# Allegro board TubiiPCB_V6.brd (continued)
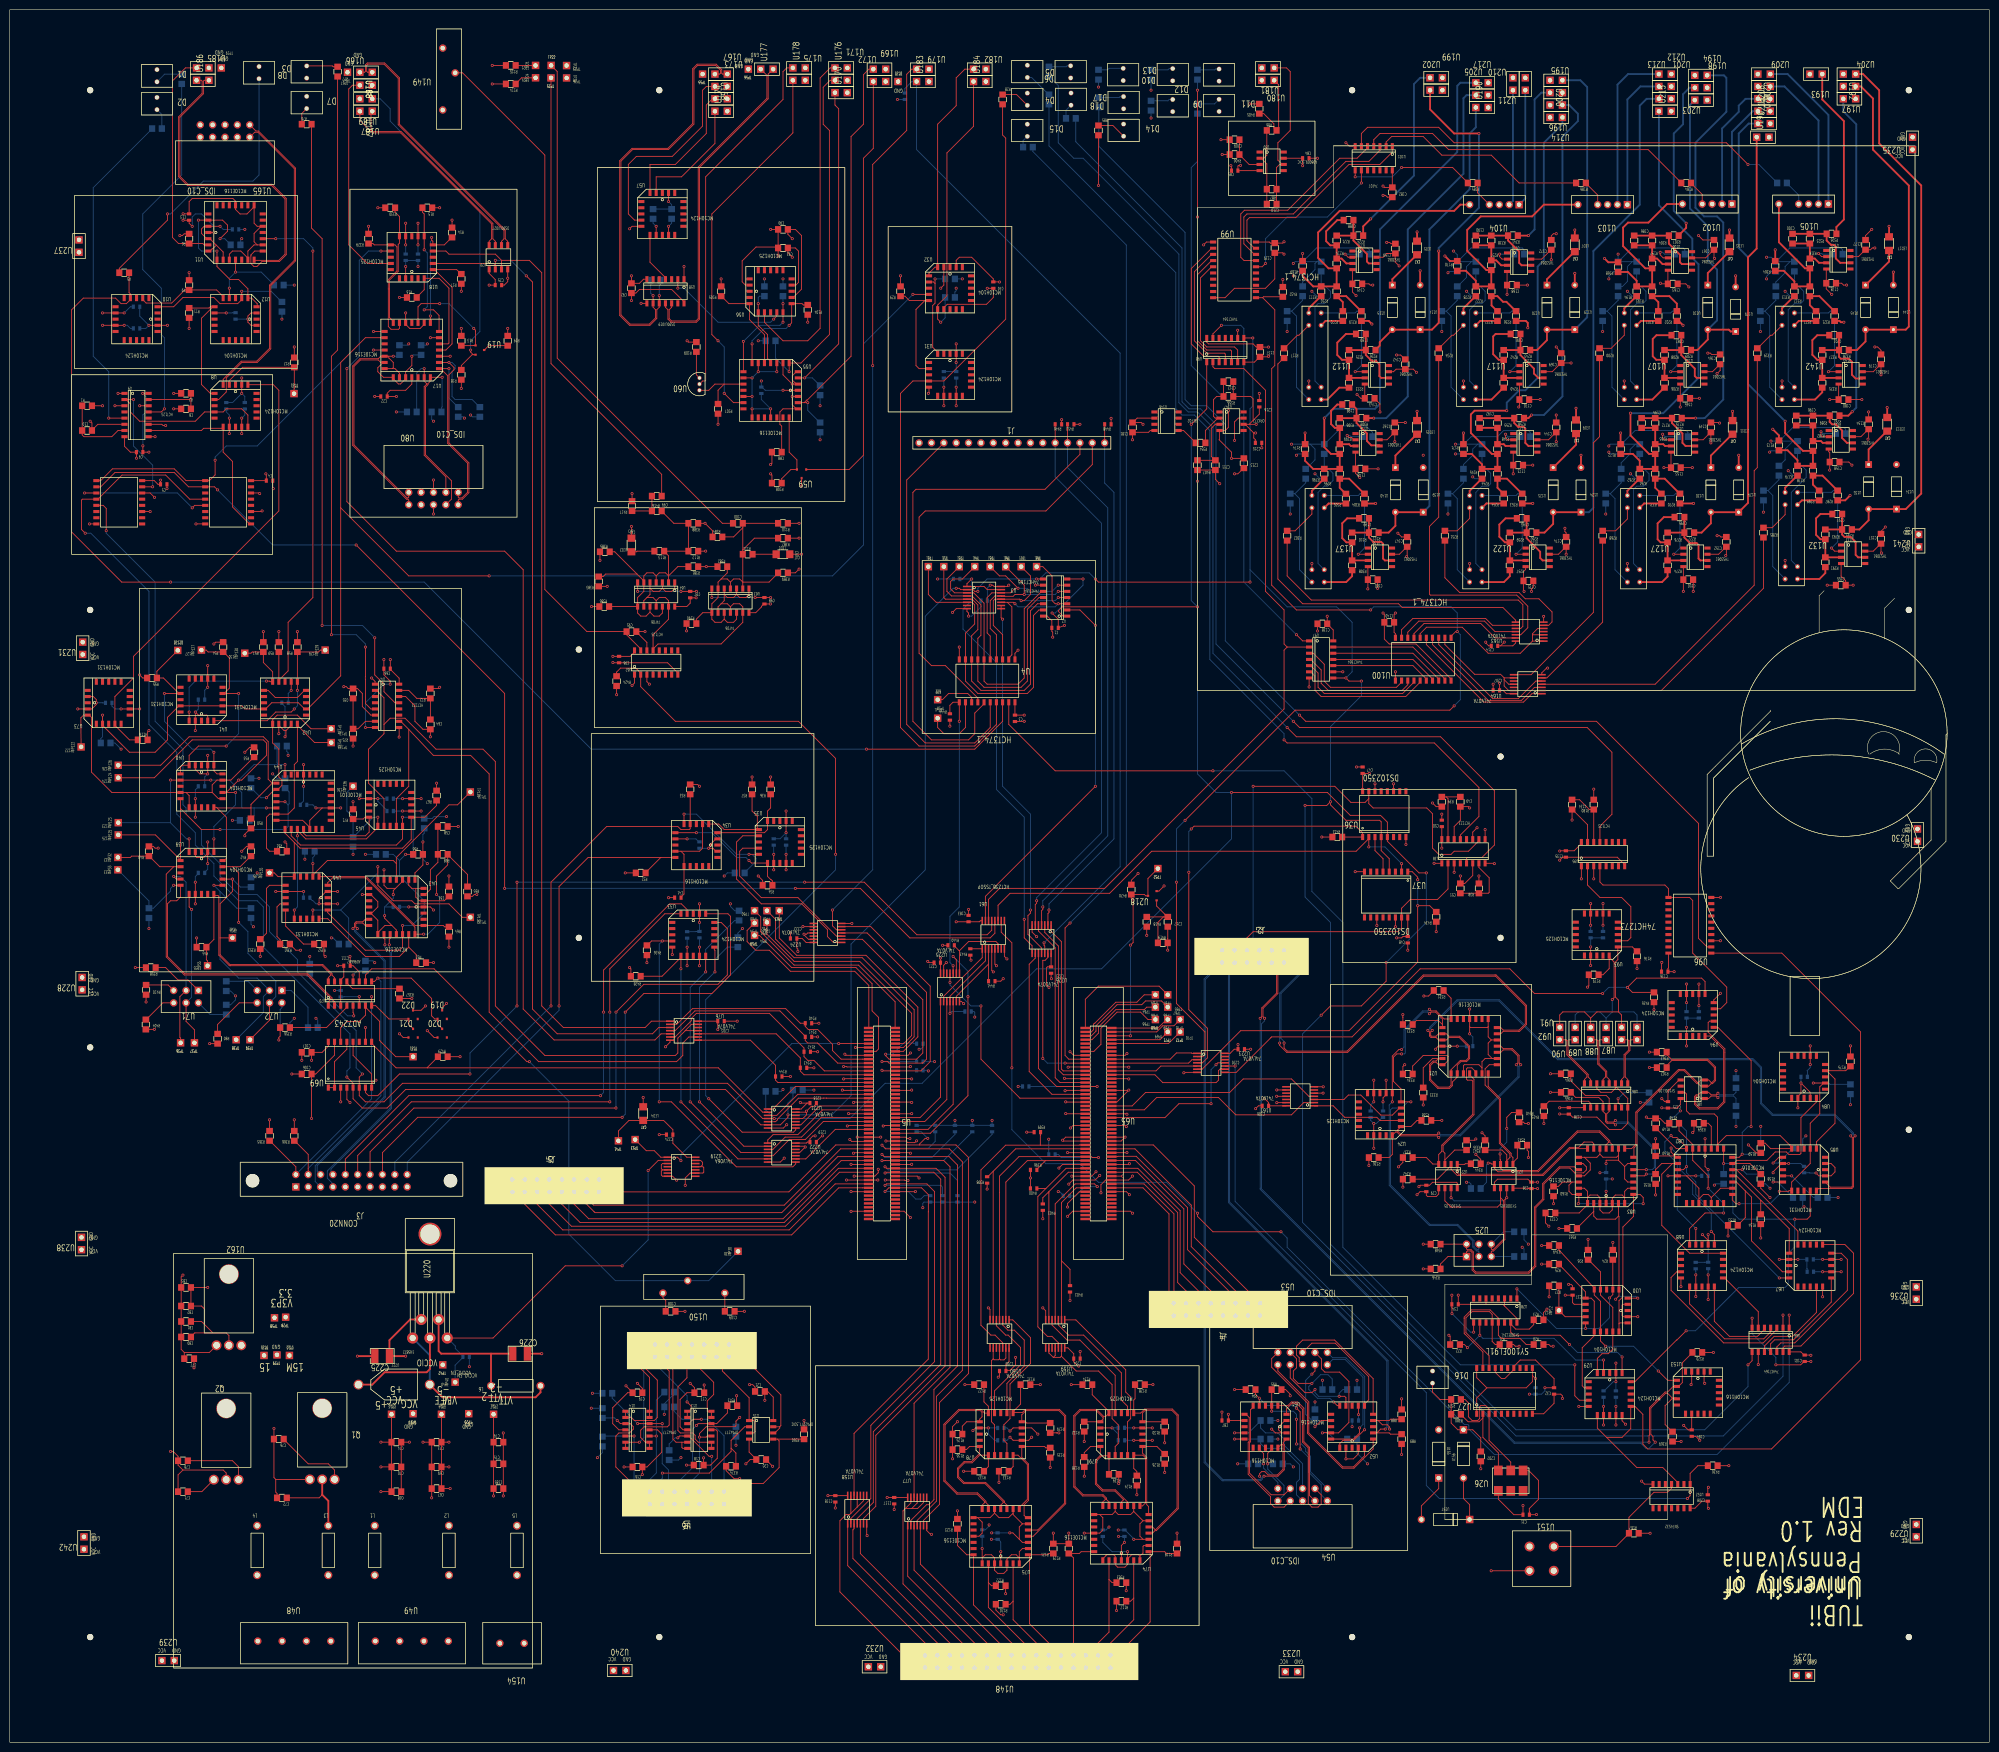
[diagram p0: board, top side]
## Routing (per net, layer and track width the routed paths; a pad name or vN(x,y) marks a point on that pad's centre or on a via; arc(x,y) is an arc through that point) (continued)
RIB4_P: length 27.1
  TOP w0.178: U52.13 272.54,69.09 v1(271.78,69.85) ; v1(267.33,73.66) 264.52,73.66 263.52,74.65 263.52,76.2 264.16,76.84 264.16,78.74 U53.4
  BOTTOM w0.178: R90.2 271.51,74.56 270.63,75.44 269.12,75.44 v1(267.33,73.66) 266.7,73.03 266.7,72.39 268.5,70.59 271.04,70.59 v1(271.78,69.85)
RIB5_N: length 31.2
  TOP w0.178: U53.5 264.74,78.16 264.74,78.93 264.16,79.5 264.16,81.28 265.43,82.55 272,82.55 279.91,74.64 U52.8
RIB5_P: length 23.5
  TOP w0.178: U53.6 267.33,81.91 272.13,81.91 279,75.04 279,70.27 278.13,69.41 U52.9
RIB6_N: length 27.4
  TOP w0.178: U51.12 v1(251.46,63.5)
  BOTTOM w0.178: 256.81,65.96 256.81,64.5 257.81,63.5 260.35,63.5 261.62,62.23 261.62,60.96 265.43,57.15 U54.5 ; 256.81,65.96 R97.2 ; 256.81,65.96 254.35,63.5 v1(251.46,63.5)
RIB6_P: length 26.3
  TOP w0.178: U51.13 v1(251.46,62.23)
  BOTTOM w0.178: U54.6 264.17,50.79 264.17,53.36 264.79,53.98 264.79,56.97 261.44,60.32 257.81,60.32 256.81,61.33 R96.2 v1(251.46,62.23)
RIB7_N: length 24.9
  TOP w0.178: U54.7 261.62,50.8 258.98,50.8 254.51,55.27 254.51,61.45 254.72,61.66 254.72,68.22 255.27,68.77 U51.8
RIB7_P: length 25.8
  TOP w0.178: U51.9 253.81,67.31 254.47,66.65 254.47,61.77 254.25,61.55 254.25,55.02 258.83,50.45 258.83,49.02 259.59,48.26 261.62,48.26 U54.8
RIB8_N: length 18.6
  TOP w0.178: v1(267.33,75.56) 267.97,76.2 U53.7 ; v1(267.97,64.77) 269.24,66.04 U52.15
  BOTTOM w0.178: v1(267.97,64.77) R93.2 267.07,66.31 266.06,67.31 266.06,73.38 266.05,73.39 266.05,73.93 266.06,73.94 266.06,74.3 v1(267.33,75.56)
RIB8_P: length 31
  TOP w0.178: U53.8 269.3,78.68 269.3,76.65 269.98,75.98 273.02,75.98 274.93,74.07 274.93,65.63 272.8,63.5 U52.17 270.42,63.5 270.35,63.57 269.57,63.57 v1(269.49,63.5)
  BOTTOM w0.178: R92.2 271.95,62.23 270.68,63.5 v1(269.49,63.5)
RIB9_N: length 27.4
  TOP w0.178: v1(277.11,64.52) 277.11,63.48 275.86,62.23 U52.18
  BOTTOM w0.178: v1(277.11,64.52) 277.82,65.22 277.82,74.92 274.18,78.56 271.6,78.56 U53.9
RIB9_P: length 27.8
  TOP w0.178: v1(278.13,64.13) 275.97,61.98 273.72,61.98 273.05,61.31 U52.19
  BOTTOM w0.178: U53.10 271.6,78.92 274.33,78.92 278.17,75.07 278.17,64.18 v1(278.13,64.13)
RIB10_N: length 11.1
  TOP w0.178: v1(257.42,57.15) 257.42,59.26 256.54,60.13 U51.15
  BOTTOM w0.178: R99.2 v1(257.42,57.15) 257.42,56.28 260.35,53.34 U54.9
RIB10_P: length 14.2
  TOP w0.178: v1(258.26,57.15) 258.26,59.32 259.08,60.13 U51.17
  BOTTOM w0.178: R98.2 v1(258.26,57.15) 258.26,56.06 261.61,52.72 261.61,50.79 U54.10
SCALER4_MZ: length 35.5
  TOP w0.178: U65.24 216.28,137.8 215.9,138.18 215.9,164.34 213.79,166.45 U226.1
SCALER5_MZ: length 36.8
  TOP w0.178: U226.3 212.49,166.23 215.29,163.43 215.29,138.02 216.31,137 U65.26
SCALER6_MZ: length 39.3
  TOP w0.178: U65.30 215.63,135.4 214.63,136.4 214.63,163.07 211.19,166.51 U226.5
SET_RETRIG1: length 43.1
  TOP w0.178: 44.01,215.26 U41.7 ; 44.01,215.26 v1(46.99,215.26) ; 44.01,215.26 45.08,216.34 45.08,222.57 43.87,223.79 R54.2 40.72,223.79 40.34,224.17 TP127.1 ; U40.4 35.05,200.15 35.43,200.53 U40.3 36.83,202.56 38.73,204.47 v1(44.45,204.47)
  BOTTOM w0.178: v1(46.99,215.26) 46.99,207.01 v1(44.45,204.47)
SET_RETRIG2: length 40.9
  TOP w0.178: 34.73,215.26 v1(31.75,215.26) ; 34.73,215.26 31.56,218.44 R55.2 30.21,219.82 TP128.1 ; 34.73,215.26 U41.15 ; v1(41.91,203.2) U40.19 41.91,199.39 42.55,198.75 U40.18
  BOTTOM w0.178: v1(31.75,215.26) 31.75,209.55 37.47,203.83 41.28,203.83 v1(41.91,203.2)
SMELLIE_DELAY_BUF_N: length 18.1
  TOP w0.178: U34.3 154.94,186.69 155.58,187.33 U35.3 155.58,191.13 156.21,191.77 R36.2
SMELLIE_DELAY_BUF_P: length 18.5
  TOP w0.178: 153.48,187.33 153.48,190.06 152.4,191.14 R37.2 ; 153.48,187.33 146.69,187.33 145.54,188.47 U34.4 ; 153.48,187.33 U35.4
SMELLIE_DELAY_MZ: length 17.5
  TOP w0.178: U222.9 163.42,119.74 169.49,125.8 U5.54
SMELLIE_PRE_DELAY_MZ: length 48.9
  TOP w0.178: U224.2 175.04,164.81 187.45,152.4 187.45,141.48 186.17,140.2 U5.17 180.54,140.2 179.83,140.9 v1(179.83,141.22)
  BOTTOM w0.178: v1(179.83,141.22) 181.23,141.22 183.52,143.51 185.52,143.51 185.65,143.38 R439.2
SMELLIE_PULSE_MZ: length 23.4
  TOP w0.178: U5.48 166.55,128.2 162.56,124.21 159.19,124.21 156.67,121.69 U222.3
SPKR: length 157.9
  TOP w0.178: v1(169.55,182.25) 169.55,201.93 161.93,209.55 136.65,209.55 129.54,216.66 U62.2 129.54,219.46 128.52,220.47 125.4,220.47 124.59,219.66 R424.2 ; v1(143.51,132.08) 150.37,125.22 160.9,125.22 161.37,125.69 U221.8
  BOTTOM w0.178: v1(143.51,132.08) 142.88,132.72 142.88,152.4 169.55,179.07 v1(169.55,182.25)
SPKR_MZ: length 16.6
  TOP w0.178: U5.42 166.29,130.6 162.41,126.72 U221.9
SR_CLK: length 829.8
  TOP w0.178: v1(15.49,248.16) 14.73,248.92 14.73,254.97 14.91,255.14 18.1,255.14 23.05,260.1 32,260.1 36.96,255.14 40.13,255.14 ; v1(356.87,77.47) 357.71,78.31 U66.8 ; v1(277.49,217.81) 274.95,217.81 v1(274.32,218.44) U97.8 ; v1(265.94,192.28) 270.38,192.28 v1(271.14,193.04) 271.14,192.41 274.32,189.23 281.25,189.23 281.56,188.93 U36.4 281.56,183.01 283.21,181.36 283.21,178.69 ; v1(254.64,238.12) 223.52,238.12 v1(222.88,238.76) ; v1(194.31,236.86) 194.94,236.86 195.22,236.58 U3.2 197.76,236.58 198.12,236.22 v1(198.75,236.22) ; v1(69.22,136.53) 70.48,135.25 70.48,132.08 72.39,130.18 77.47,130.18 81.28,133.99 146.94,133.99 154.2,126.72 U221.6 158.22,126.72 159.77,128.27 v1(159.77,128.78) ; v1(210.82,238.76) U2.8 ; U98.8 v1(255.21,288.23)
  BOTTOM w0.178: v1(277.49,217.81) 277.49,214.79 271.14,208.44 v1(271.14,193.04) ; v1(15.49,248.16) 16.64,248.16 28.57,236.22 28.57,208.92 34.29,203.2 34.29,190.5 38.1,186.69 38.1,184.15 41.91,180.34 41.91,177.8 46.99,172.72 50.8,172.72 52.07,171.45 52.07,163.19 69.85,145.41 69.85,138.43 69.22,137.8 v1(69.22,136.53) ; v1(255.21,288.23) 255.21,274.26 254.64,273.69 254.64,240.67 ; v1(274.32,218.44) 275.59,219.71 275.59,229.87 272.41,233.05 262.25,233.05 254.64,240.67 ; 254.64,240.67 v1(254.64,238.12) ; R425.2 160.8,132.22 159.77,131.19 v1(159.77,128.78) 168.78,128.78 172.72,132.72 172.72,163.83 187.96,179.07 187.96,231.14 193.68,236.86 v1(194.31,236.86) ; v1(265.94,192.28) 265.94,173.48 271.14,168.28 271.14,102.24 309.24,64.13 347.98,64.13 356.87,73.03 v1(356.87,77.47) ; v1(198.75,236.22) 198.75,236.86 200.66,238.76 v1(210.82,238.76) 211.46,238.76 212.72,240.03 221.62,240.03 v1(222.88,238.76)
SR_DATA: length 769.1
  TOP w0.178: U1.5 19.18,253.87 19.81,253.24 v1(19.81,248.67) ; v1(243.84,233.05) 216.08,233.05 215.34,232.31 215.34,232.05 216.25,231.14 U2.1 ; v1(290.83,178.44) 289.34,178.44 282.83,184.95 U36.5 282.83,188.85 281.43,190.25 275.21,190.25 270.51,194.94 v1(250.83,194.94) ; U98.1 245.75,273.69 v1(242.57,270.51) ; v1(282.57,160.02) 282.57,156.21 277.49,151.13 271.14,151.13 v1(269.24,149.22) ; v1(72.39,137.16) 71.76,136.53 U69.6 71.76,132.72 73.03,131.44 76.84,131.44 80.65,135.25 147.35,135.25 154.58,128.02 U221.4 v1(156.97,128.02) ; U66.2 v1(364.06,87.68)
  BOTTOM w0.178: v1(282.57,160.02) 290.83,168.28 v1(290.83,178.44) ; R427.2 155.21,129.78 v1(156.97,128.02) 172.47,128.02 179.71,135.25 187.33,135.25 210.82,158.75 224.16,158.75 250.83,185.42 v1(250.83,194.94) 247.65,194.94 243.84,198.75 v1(243.84,233.05) 242.57,234.31 v1(242.57,270.51) ; v1(269.24,149.22) 265.43,145.41 265.43,106.68 309.24,62.87 336.27,62.87 336.28,62.88 337.63,62.88 337.64,62.87 351.79,62.87 364.06,75.13 v1(364.06,87.68) ; v1(72.39,137.16) 71.12,138.43 71.12,146.05 59.06,158.12 59.06,160.66 53.34,166.37 53.34,171.45 50.8,173.99 46.99,173.99 43.18,177.8 43.18,180.34 39.37,184.15 39.37,187.33 36.19,190.5 36.19,191.77 35.56,192.41 35.56,203.83 29.85,209.55 29.85,238.11 19.81,248.14 v1(19.81,248.67)
SYNC24_2_N: length 23.8
  TOP w0.178: v1(86.61,308.86) 86.61,308.34 86.87,308.09 U18.8 89.21,307.34 90.75,308.88 R14.1 ; U17.12 v1(86.36,292.74)
  BOTTOM w0.178: v1(86.61,308.86) 86.61,308.23 86.36,307.98 v1(86.36,292.74)
SYNC24_2_P: length 28.5
  TOP w0.178: v1(85.09,294) 87,294 88.14,292.86 U17.11 ; R15.1 84.72,314.06 85.09,313.69 U18.9 v1(85.09,306.32)
  BOTTOM w0.178: v1(85.09,294) 85.73,294.64 85.73,305.69 v1(85.09,306.32)
SYNC24_MZ: length 47.6
  TOP w0.178: U5.18 175.14,140.2 175.13,140.21 170.69,140.21 168.91,141.99 168.91,143.26 165.86,146.3 163.93,146.3 163.32,146.91 R140.1 162.31,147.57 159.31,150.57 140.16,150.57 136.94,147.36 U76.2
SYNC_2_N: length 23.9
  TOP w0.178: R16.1 83.55,296.6 85.09,298.14 U18.3 88.14,300.48 90.17,298.45 90.17,287.2 89.99,287.02 U17.9
SYNC_2_P: length 26.1
  TOP w0.178: 87.19,302.26 91.75,302.26 92.66,301.36 R17.1 ; 87.19,302.26 U18.4 ; 87.19,302.26 90.81,298.64 90.81,287.02 89.53,285.75 U17.8
SYNC_MZ: length 47.4
  TOP w0.178: U5.20 169.97,139.4 165.86,143.51 163.83,143.51 163.32,144.02 R141.1 163.32,144.91 158.12,150.11 140.66,150.11 136.6,146.06 U76.4
TC: length 50.1
  TOP w0.178: 372.38,135.3 v1(370.28,135.3) ; 372.38,135.3 U84.5 ; 372.38,135.3 371.6,134.53 371.6,129 369.65,127.05 U85.5 369.65,118.79 365.84,114.98 U85.14 365.3,113.21 365.17,113.08 v1(363.3,113.08) ; v1(355.04,110.54) 354.41,110.54 353.64,111.3 U82.19
  BOTTOM w0.178: v1(355.04,110.54) 361.39,110.54 363.3,112.44 v1(363.3,113.08) ; R166.2 373.73,135.03 373.46,135.3 v1(370.28,135.3)
TELLIE_DELAY_BUF_N: length 26.6
  TOP w0.178: U34.8 v1(138.43,190.5) ; v1(151.77,182.25) U35.8
  BOTTOM w0.178: v1(138.43,190.5) 140.97,190.5 149.22,182.25 v1(151.77,182.25) 152.4,182.25 153.21,181.43 153.21,180.84 150.86,178.49 R35.2
TELLIE_DELAY_BUF_P: length 26.5
  TOP w0.178: v1(151.77,180.97) 152.27,180.47 155.58,180.47 155.58,177.73 156.21,177.09 156.28,177.09 156.58,176.8 R34.2 ; U34.9 v1(140.97,186.69)
  BOTTOM w0.178: v1(151.77,180.97) 151.13,181.61 149.22,181.61 144.15,186.69 v1(140.97,186.69)
TELLIE_DELAY_MZ: length 23.6
  TOP w0.178: U222.5 156.71,120.39 160.02,123.7 163.32,123.7 167.02,127.4 U5.50
TELLIE_PRE_DELAY_MZ: length 52.9
  TOP w0.178: U224.4 176.03,166.11 188.21,153.92 188.21,140.21 187.41,139.4 U5.19 180.54,139.4 180.24,139.7 v1(179.07,139.7)
  BOTTOM w0.178: R438.2 v1(179.07,139.7)
TELLIE_PULSE_MZ: length 23.9
  TOP w0.178: U5.44 175.14,129.8 175.13,129.79 166.88,129.79 161.8,124.71 156.72,124.71 155.63,123.62 U222.1
TRIG_GATE1_N: length 39.6
  TOP w0.178: v1(80.65,189.87) 80.65,185.42 79.38,184.15 59.69,184.15 57.78,186.05 U44.13
  BOTTOM w0.178: v1(80.65,189.87) 82.49,189.87 82.82,189.54 R69.2
TRIG_GATE1_P: length 53
  TOP w0.178: 58.42,184.69 56.52,186.6 U44.12 ; 58.42,184.69 58.42,177.67 55.08,177.67 54.31,178.45 TP135.1 ; 58.42,184.69 59.6,183.52 80.65,183.52 82.42,185.29 U45.9 85.22,189.87 87.63,192.28 R67.2
TRIG_GATE2_N: length 21.4
  TOP w0.178: U44.15 60.33,186.6 60.87,186.06 73.03,186.06 73.79,186.82 U45.3 72.93,189.87 72.57,189.5 R71.2
TRIG_GATE2_P: length 57.2
  TOP w0.178: v1(59.06,186.06) 59.06,187.13 ; 59.06,187.13 U44.14 ; 59.06,187.13 60.77,185.42 73.22,185.42 75.56,187.77 v1(75.56,189.87) ; v1(58.42,170.81) U46.14
  BOTTOM w0.178: v1(59.06,186.06) 59.06,171.45 v1(58.42,170.81) ; v1(75.56,189.87) 74.62,189.87 70.54,185.79 R70.2 70.48,189.87 69.22,191.13 69.22,194.97 TP136.1
TRIG_PULS1_N: length 30.9
  TOP w0.178: 63.5,177.67 73.17,177.67 83.21,167.64 89,167.64 89.27,167.37 R64.2
TRIG_PULS1_P: length 54
  TOP w0.178: 89.9,182.19 89.9,180.07 87.63,177.8 v1(87.63,173.99) ; 89.9,182.19 R68.2 ; 89.9,182.19 93.98,178.11 R65.2 ; U46.3 65.28,176.43 66.27,177.42 73.07,177.42 83.19,167.3 U43.25 v1(84.96,165.86)
  BOTTOM w0.178: v1(87.63,173.99) 88.27,173.36 88.27,168.28 85.85,165.86 v1(84.96,165.86)
TRIG_PULS2_N: length 28.9
  TOP w0.178: U46.18 65.28,169.04 73.03,161.29 80.01,161.29 81.92,163.19 ; 81.92,163.19 83.45,161.66 R62.2 ; 81.92,163.19 U43.24
TRIG_PULS2_P: length 48.9
  TOP w0.178: v1(80.65,167.64) U43.23 80.65,163.19 80.01,162.56 73,162.56 65.28,170.28 U46.19 ; R66.2 v1(81.28,182.25)
  BOTTOM w0.178: 80.01,180.97 78.74,182.25 R63.2 ; 80.01,180.97 80.01,177.8 85.09,172.72 85.09,170.18 82.55,167.64 v1(80.65,167.64) ; 80.01,180.97 v1(81.28,182.25)
TUBII_RT_OUT_MZ: length 31.5
  TOP w0.178: v1(212.09,140.34) 212.09,160.5 212.56,160.5 213.14,161.07 U226.13 ; U65.20 v1(216.66,139.4)
  BOTTOM w0.178: v1(216.66,139.4) 213.02,139.4 v1(212.09,140.34)
UNNAMED_1_1N4448_I28_IN: length 9.1
  TOP w0.381: U145.1 385.83,303.91 LED17.1
UNNAMED_1_1N4448_I28_IN_1: length 8.7
  TOP w0.381: U110.1 348.61,301.56 353,305.94 LED3.1
UNNAMED_1_1N4448_I28_IN_2: length 8.4
  TOP w0.381: LED5.1 288.86,305.31 283.84,300.29 U115.1
UNNAMED_1_1N4448_I28_IN_3: length 9.3
  TOP w0.381: LED7.1 321.25,305.94 315.59,300.29 U120.1
UNNAMED_1_1N4448_I28_IN_4: length 8.9
  TOP w0.381: U125.1 321.56,266.32 LED9.1
UNNAMED_1_1N4448_I28_IN_5: length 8.7
  TOP w0.381: U130.1 349.25,264.09 353.63,268.48 LED11.1
UNNAMED_1_1N4448_I28_IN_6: length 8.5
  TOP w0.381: LED13.1 385.38,269.11 381.63,265.36 U135.1
UNNAMED_1_1N4448_I28_IN_7: length 8.7
  TOP w0.381: U140.1 284.48,264.09 288.86,268.48 LED15.1
UNNAMED_1_1N5822_I63_CAT: length 36.6
  TOP w0.381: L6.1 108.97,71.82 107.95,70.8 88.84,70.8 U227.1
  BOTTOM w0.381: U220.1 86.23,79.45 U227.1
UNNAMED_1_74F06_I2_D1: length 76.3
  TOP w0.178: U64.11 132.72,234.31 ; 132.72,234.31 132.08,234.95 130.81,234.95 ; 132.72,234.31 133.35,234.95 134.62,234.95 135.25,234.31 U64.13 135.25,230.5 132.08,227.33 132.08,224.41 ; 133.99,236.86 U64.3 ; 133.99,236.86 133.35,236.22 132.08,236.22 131.44,236.86 ; 133.99,236.86 134.62,236.22 135.89,236.22 136.53,236.86 U64.1 ; 130.81,234.95 131.44,235.58 131.44,236.86 ; 130.81,234.95 130.18,234.31 U64.9 ; U63.11 147.96,233.05 ; 147.96,233.05 147.32,233.68 146.05,233.68 ; 147.96,233.05 148.59,233.68 149.86,233.68 150.5,233.05 U63.13 150.5,229.87 146.05,225.43 133.1,225.43 132.08,224.41 ; 149.22,235.58 149.86,234.95 151.13,234.95 151.77,235.58 U63.1 ; 149.22,235.58 148.59,234.95 147.32,234.95 146.69,235.58 ; 149.22,235.58 149.22,236.79 ; 132.08,224.41 U62.13 ; U64.5 131.44,236.86 ; U63.9 145.41,233.05 146.05,233.68 ; 146.69,235.58 146.69,234.31 146.05,233.68 ; 146.69,235.58 U63.5
UNNAMED_1_74F06_I2_Q1: length 74.1
  TOP w0.178: U63.8 142.27,231.84 140.95,230.52 R390.1 ; U63.8 144.15,230.5 144.78,229.87 146.05,229.87 146.69,230.5 ; U63.8 144.15,233.68 145.41,234.95 U63.6 145.41,238.12 146.05,238.76 ; 147.96,238.12 148.59,238.76 149.86,238.76 150.5,238.12 ; 147.96,238.12 U63.4 ; 147.96,238.12 147.32,238.76 146.05,238.76 ; R382.1 147.3,240.01 146.05,238.76 ; 150.5,244.74 150.5,238.12 ; 150.5,244.74 150.5,249.29 ; 150.5,244.74 152.89,247.14 R387.1 ; 146.69,230.5 U63.10 ; 146.69,230.5 147.32,229.87 148.59,229.87 149.22,230.5 149.22,231.84 ; 150.5,249.29 C100.1 R110.1 ; 150.5,249.29 148.61,247.4 R384.1 ; 150.5,238.12 U63.2 ; 150.5,238.12 155.9,238.12 157.75,239.98 R389.1
UNNAMED_1_74F06_I3_Q1: length 76.7
  TOP w0.178: U64.8 128.91,231.77 129.54,231.14 130.63,231.14 131.44,231.95 ; U64.8 128.91,234.95 130.18,236.22 U64.6 130.18,238.38 ; U64.8 R386.1 ; 131.44,231.95 132.26,231.14 133.35,231.14 133.99,231.77 U64.12 ; 131.44,231.95 U64.10 ; R381.1 137.16,241.3 135.25,239.39 ; 135.25,239.39 U64.2 ; 135.25,239.39 134.62,240.03 133.35,240.03 132.72,239.39 ; 135.25,239.39 135.25,243.52 134.35,244.42 R113.2 R112.1 R388.1 136.33,250.19 133.84,252.68 R416.1 ; 128.78,239.78 130.18,238.38 ; 128.78,239.78 124.21,244.35 R385.1 ; 128.78,239.78 122.33,239.78 121.81,239.25 R383.1 ; 130.18,238.38 130.18,239.39 130.81,240.03 132.08,240.03 132.72,239.39 ; 132.72,239.39 U64.4
UNNAMED_1_74F07_I67_A0: length 43.6
  TOP w0.178: U101.1 283.84,326.39 281.3,323.85 274.95,323.85 264.03,312.93 254.51,312.93 254,312.42 254,308.19 255.54,306.65 U99.19
UNNAMED_1_74F07_I67_A1: length 43.4
  TOP w0.178: U101.3 281.3,326.74 279.05,324.49 274.32,324.49 263.52,313.69 254,313.69 253.36,313.06 253.36,307.56 255.54,305.38 U99.18
UNNAMED_1_74F07_I67_A2: length 44.3
  TOP w0.178: U99.17 253.42,304.11 252.73,304.8 252.73,313.69 253.49,314.45 262.38,314.45 273.05,325.12 276.61,325.12 278.76,327.28 U101.5
UNNAMED_1_74F07_I67_A3: length 34.3
  TOP w0.178: U99.16 257.12,302.84 v1(257.81,303.53) ; v1(277.49,320.04) U101.9
  BOTTOM w0.178: v1(277.49,320.04) 270.51,313.06 262.25,313.06 257.81,308.61 v1(257.81,303.53)
UNNAMED_1_74F07_I67_Y0: length 44.3
  TOP w0.178: U101.2 282.57,328.45 283.69,329.56 290.19,329.56 294,325.75 304.16,325.75 309.88,320.04 R186.1
UNNAMED_1_74F07_I67_Y1: length 69.2
  TOP w0.178: R184.1 343.17,320.09 336.37,326.89 295.41,326.89 292.1,330.2 281.31,330.2 280.03,328.93 U101.4
UNNAMED_1_74F07_I67_Y2: length 93.3
  TOP w0.178: U101.6 277.49,330.2 278.76,331.47 293.37,331.47 296.54,328.3 352.42,328.3 v1(356.87,323.85)
  BOTTOM w0.178: R183.1 362.85,320.09 359.1,323.85 v1(356.87,323.85)
UNNAMED_1_74F07_I67_Y3: length 26.6
  TOP w0.178: R185.1 299.35,320.09 296.23,323.22 v1(285.75,323.22) ; U101.8 v1(276.22,321.31)
  BOTTOM w0.178: v1(285.75,323.22) 283.84,321.31 v1(276.22,321.31)
UNNAMED_1_74HCT164_I28_Q0: length 32.8
  TOP w0.178: U66.3 362.79,84.76 359.99,81.96 351.87,81.96 341.07,92.76 341.07,95.39 342.25,96.57 U68.7
UNNAMED_1_74HCT164_I28_Q1: length 24.6
  TOP w0.178: U68.9 344.88,89.97 352.04,82.8 360.1,82.8 361.52,84.22 U66.4
UNNAMED_1_74HCT164_I28_Q2: length 19.6
  TOP w0.178: U68.13 349.96,86.41 353.06,83.31 358.8,83.31 360.25,84.76 U66.5
UNNAMED_1_74HCT164_I28_Q3: length 13.4
  TOP w0.178: U66.6 358.98,88.38 352.06,95.3 U68.14
UNNAMED_1_74HCT164_I28_Q4: length 20
  TOP w0.178: U67.7 370.92,88.21 366.01,83.31 362.23,83.31 360.25,81.33 U66.10
UNNAMED_1_74HCT164_I28_Q5: length 22.6
  TOP w0.178: U66.11 361.52,81.79 362.33,82.6 366.22,82.6 373.96,90.34 U67.9
UNNAMED_1_74HCT164_I28_Q6: length 30.5
  TOP w0.178: U66.12 362.79,81.15 363.6,81.96 366.47,81.96 377.27,92.76 377.27,99.11 376,100.38 U67.13
UNNAMED_1_74HCT164_I28_Q7: length 35.3
  TOP w0.178: U66.13 364.06,80.98 364.41,81.33 367.74,81.33 378.54,92.12 378.54,100.38 376.76,102.16 U67.14
UNNAMED_1_74HCT164_I64_Q0: length 29.6
  TOP w0.178: U98.3 248.28,284.3 248.11,284.48 245.11,284.48 242.57,287.02 242.57,302.48 246.75,306.65 U99.2
UNNAMED_1_74HCT164_I64_Q1: length 28.7
  TOP w0.178: U98.4 249.55,284.94 249.38,285.12 245.75,285.12 243.21,287.66 243.21,301.84 246.75,305.38 U99.3
UNNAMED_1_74HCT164_I64_Q2: length 28.1
  TOP w0.178: U99.4 246.75,304.11 243.84,301.21 243.84,287.66 245.75,285.75 250.65,285.75 250.83,285.57 U98.5
UNNAMED_1_74HCT164_I64_Q3: length 27.3
  TOP w0.178: U99.5 246.75,302.84 244.47,300.57 244.47,287.66 245.75,286.38 251.46,286.38 252.09,285.75 U98.6
UNNAMED_1_74HCT164_I64_Q7: length 78.7
  TOP w0.178: v1(248.77,290.83) 247.02,289.08 247.02,288.23 ; v1(264.16,227.33) 265.43,226.06 U97.1
  BOTTOM w0.178: v1(264.16,227.33) 253.36,238.12 253.36,290.19 252.73,290.83 v1(248.77,290.83)
UNNAMED_1_74HCT164_I65_Q0: length 24.7
  TOP w0.178: U97.3 267.62,223.52 269.88,221.26 269.88,217.81 271.14,216.54 284.7,216.54 285.75,217.59 U100.2
UNNAMED_1_74HCT164_I65_Q1: length 25.8
  TOP w0.178: U97.4 267.08,222.25 269.24,220.09 269.24,217.35 270.69,215.9 285.87,215.9 287.02,217.05 U100.3
UNNAMED_1_74HCT164_I65_Q2: length 26.9
  TOP w0.178: U100.4 288.29,217.59 285.97,215.26 269.88,215.26 268.6,216.54 268.6,219.46 267.08,220.98 U97.5
UNNAMED_1_74HCT164_I65_Q3: length 28.2
  TOP w0.178: U97.6 267.08,219.71 267.97,218.82 267.97,215.9 269.24,214.63 286.6,214.63 289.56,217.59 U100.5
UNNAMED_1_74HCT164_I65_Q4: length 20.6
  TOP w0.178: U97.10 288.07,220.98 290.83,218.22 U100.6
UNNAMED_1_74HCT164_I65_Q5: length 22.4
  TOP w0.178: U97.11 288.07,222.25 292.1,218.22 U100.7
UNNAMED_1_74HCT164_I65_Q6: length 24.2
  TOP w0.178: U100.8 293.37,218.22 288.07,223.52 U97.12
UNNAMED_1_74HCT164_I65_Q7: length 26
  TOP w0.178: U97.13 288.07,224.79 294.64,218.22 U100.9
UNNAMED_1_74LV06A_I237_VCC: length 23.5
  TOP w0.178: TP41.1 124.97,125.48 127.12,127.63 LED4.1 134.24,127.63 136.14,125.73 C224.1 136.14,122.94 139,120.08 U219.14
UNNAMED_1_74LV07A_I70_A1: length 36.5
  TOP w0.178: 312.62,226.01 U163.1 ; 312.62,226.01 312.62,227.28 312.66,227.31 ; 312.62,226.01 310.13,223.52 303.53,223.52 298.2,228.85 290.87,228.85 289.56,227.55 U100.16 ; 312.66,227.31 U163.3 ; 312.66,227.31 312.66,227.56 313.7,228.61 U163.5
UNNAMED_1_74LV07A_I70_A4: length 26.6
  TOP w0.178: U100.19 285.75,228.35 288.04,230.63 303.02,230.63 304.4,229.26 U163.9
UNNAMED_1_74LV07A_I70_A5: length 25.1
  TOP w0.178: U100.18 287.02,227.84 289.31,230.12 302.78,230.12 304.94,227.96 U163.11
UNNAMED_1_74LV07A_I70_A6: length 23.8
  TOP w0.178: U163.13 304.97,226.66 302.01,229.62 290.36,229.62 288.29,227.55 U100.17
UNNAMED_1_74LV07A_I72_A1: length 30.7
  TOP w0.178: U100.15 290.83,225.3 302.64,213.49 310.77,213.49 312.49,215.21 U164.1
UNNAMED_1_74LV07A_I72_A2: length 29.7
  TOP w0.178: U164.3 313.03,216.51 310.36,213.84 303.56,213.84 292.1,225.3 U100.14
UNNAMED_1_74LV07A_I72_A3: length 28.7
  TOP w0.178: U100.13 293.37,225.3 304.47,214.2 309.7,214.2 313.32,217.82 U164.5
UNNAMED_1_74LV07A_I72_A4: length 24.8
  TOP w0.178: 306.81,218.1 307.74,217.16 U164.11 ; 306.81,218.1 306.81,216.8 307.74,215.86 U164.13 ; 306.81,218.1 306.81,218.47 ; U100.12 294.64,225.3 300.74,219.2 306.07,219.2 306.81,218.47 ; U164.9 306.81,218.47
UNNAMED_1_74LV07A_I72_Y3: length 34
  TOP w0.178: R268.1 327.02,229.92 315.57,218.47 U164.6
UNNAMED_1_74LV07A_I85_A1: length 35
  TOP w0.178: U79.7 229.49,65.79 230.12,66.42 230.12,70.87 229.11,71.88 229.11,76.45 218.87,86.69 U159.1
UNNAMED_1_74LV07A_I85_A2: length 26.8
  TOP w0.178: U79.15 229.49,68.96 228.22,70.23 228.22,75.82 220.47,83.57 217.37,83.57 215.29,85.65 U159.3
UNNAMED_1_74LV07A_I85_A3: length 26
  TOP w0.178: U159.5 213.98,85.65 217.08,82.55 219.71,82.55 226.95,75.31 U79.17
UNNAMED_1_74LV07A_I85_A4: length 36
  TOP w0.178: U159.13 215.94,79.28 ; 215.94,79.28 215.65,78.99 214.25,78.99 ; 215.94,79.28 215.94,79.21 218.95,76.2 223.52,76.2 226.31,73.41 226.31,66.42 227.58,65.15 227.58,61.34 226.95,60.71 U79.5 ; U159.11 214.64,79.38 214.25,78.99 ; 214.25,78.99 213.33,79.91 U159.9
UNNAMED_1_74LV07A_I86_A1: length 32.6
  TOP w0.178: U78.7 204.72,61.34 204.09,61.98 204.09,65.15 205.36,66.42 205.36,73.53 209.55,77.72 209.55,83.06 205.92,86.69 U160.1
UNNAMED_1_74LV07A_I86_A2: length 23.2
  TOP w0.178: U160.3 203.86,85.65 204.92,84.58 206.25,84.58 208.28,82.55 208.28,77.22 204.72,73.66 U78.15
UNNAMED_1_74LV07A_I86_A3: length 23.7
  TOP w0.178: U160.5 202.55,85.48 204.47,83.57 204.98,83.57 207.52,81.03 207.52,77.47 202.18,72.14 U78.17
UNNAMED_1_74LV07A_I86_A4: length 29.8
  TOP w0.178: 201.9,78.69 201.55,78.33 201.55,65.79 202.18,65.15 U78.5 ; 201.9,78.69 202.08,78.51 203.03,78.51 203.21,78.69 ; 201.9,78.69 U160.9 ; 203.21,78.69 203.41,78.49 204.12,78.49 204.51,78.87 U160.13 ; 203.21,78.69 U160.11
UNNAMED_1_AD7243_I2_REFIN: length 11.7
  TOP w0.178: U69.1 U69.2 66.67,139.7 69.22,142.24 U69.13
UNNAMED_1_AD8009_I1_IN: length 16.7
  TOP w0.178: R86.2 258.08,325.74 257.46,325.12 256.92,325.12 ; U50.2 256.92,325.12 ; 256.92,325.12 258.08,323.96 R87.1 C210.1
UNNAMED_1_AD8009_I1_IN_1: length 8.1
  TOP w0.178: U50.3 254.44,323.85 252.46,325.83 R406.2 C209.2
UNNAMED_1_AD96687_I1_LE1: length 13.8
  TOP w0.178: U70.4 69.22,150.88 65.02,146.69 R356.2
UNNAMED_1_AD96687_I1_LE1_1: length 15.3
  TOP w0.178: v1(70.61,149.1) 70.61,149.62 70.48,149.75 70.48,151.19
  BOTTOM w0.178: v1(70.61,149.1) 69.34,149.1 61.59,156.84 R408.2
UNNAMED_1_AD96687_I1_LE2: length 11.6
  TOP w0.178: U70.13 69.22,155.83 70.37,154.67 R357.2
UNNAMED_1_AD96687_I1_LE2_1: length 4.2
  TOP w0.178: v1(70.48,157.48) 70.48,156.15
  BOTTOM w0.178: R409.2 71.39,158.38 v1(70.48,157.48)
UNNAMED_1_AD96687_I1_Q1: length 72
  TOP w0.178: U39.5 33.66,179.71 ; 33.66,179.71 32.13,178.18 32.13,161.18 35.83,157.48 61.11,157.48 65.91,152.68 65.91,152.5 65.41,151.99 U70.1 ; 33.66,179.71 30.8,179.71 28.63,181.88 R48.2 25.03,181.88 24.76,181.61 TP32.1
UNNAMED_1_AD96687_I1_Q1_1: length 74.8
  TOP w0.178: v1(33.66,175.9) U39.8 35.05,173.48 34.29,172.72 33.02,172.72 32.39,172.09 32.39,161.29 35.94,157.73 61.22,157.73 66.17,152.79 66.17,152.5 66.67,151.99 U70.2
  BOTTOM w0.178: v1(33.66,175.9) 33.02,175.26 33.02,174.72 29.48,171.18 R46.2 28.57,172.69 TP33.1
UNNAMED_1_AD96687_I1_Q2: length 54.9
  TOP w0.178: 41.91,173.8 U39.13 ; 41.91,173.8 42.75,173.8 42.93,173.62 42.93,161.54 45.09,159.38 45.3,159.38 45.3,159.38 64.16,159.38 65.91,157.63 65.91,157.45 65.41,156.95 U70.16 ; 41.91,173.8 41.91,164.79 40.37,163.25 R45.2 40.37,160.61 40.61,160.37 TP35.1
UNNAMED_1_AD96687_I1_Q2_1: length 52
  TOP w0.178: 43.18,165.1 43.18,161.65 45.19,159.64 64.27,159.64 66.17,157.74 66.17,157.45 66.67,156.95 U70.15 ; 43.18,165.1 TP34.1 ; 43.18,165.1 43.18,172.09 45.72,174.62 v1(45.72,177.16) U39.15
  BOTTOM w0.178: v1(45.72,177.16) 47.36,175.53 R43.2
UNNAMED_1_BACKPORTS_I3_UNNU<10>: length 43.7
  TOP w0.178: U65.67 227.45,120.2 227.52,120.27 231.27,120.27 241.81,109.73 241.81,101.09 251.65,91.25 J4.5
UNNAMED_1_BACKPORTS_I3_UNNU<11>: length 41.6
  TOP w0.178: U65.69 231.12,119.4 241.05,109.47 241.05,98.17 J4.7
UNNAMED_1_BACKPORTS_I3_UNNU<12>: length 39.3
  TOP w0.178: U65.73 231.6,117.8 240.28,109.12 240.28,96.39 J4.9
UNNAMED_1_BACKPORTS_I3_UNNU<13>: length 37.4
  TOP w0.178: U65.75 231.49,117 239.78,108.71 239.78,94.36 J4.11